# Altium PCB DM1092.PcbDoc (part 2 of 5) (continued)
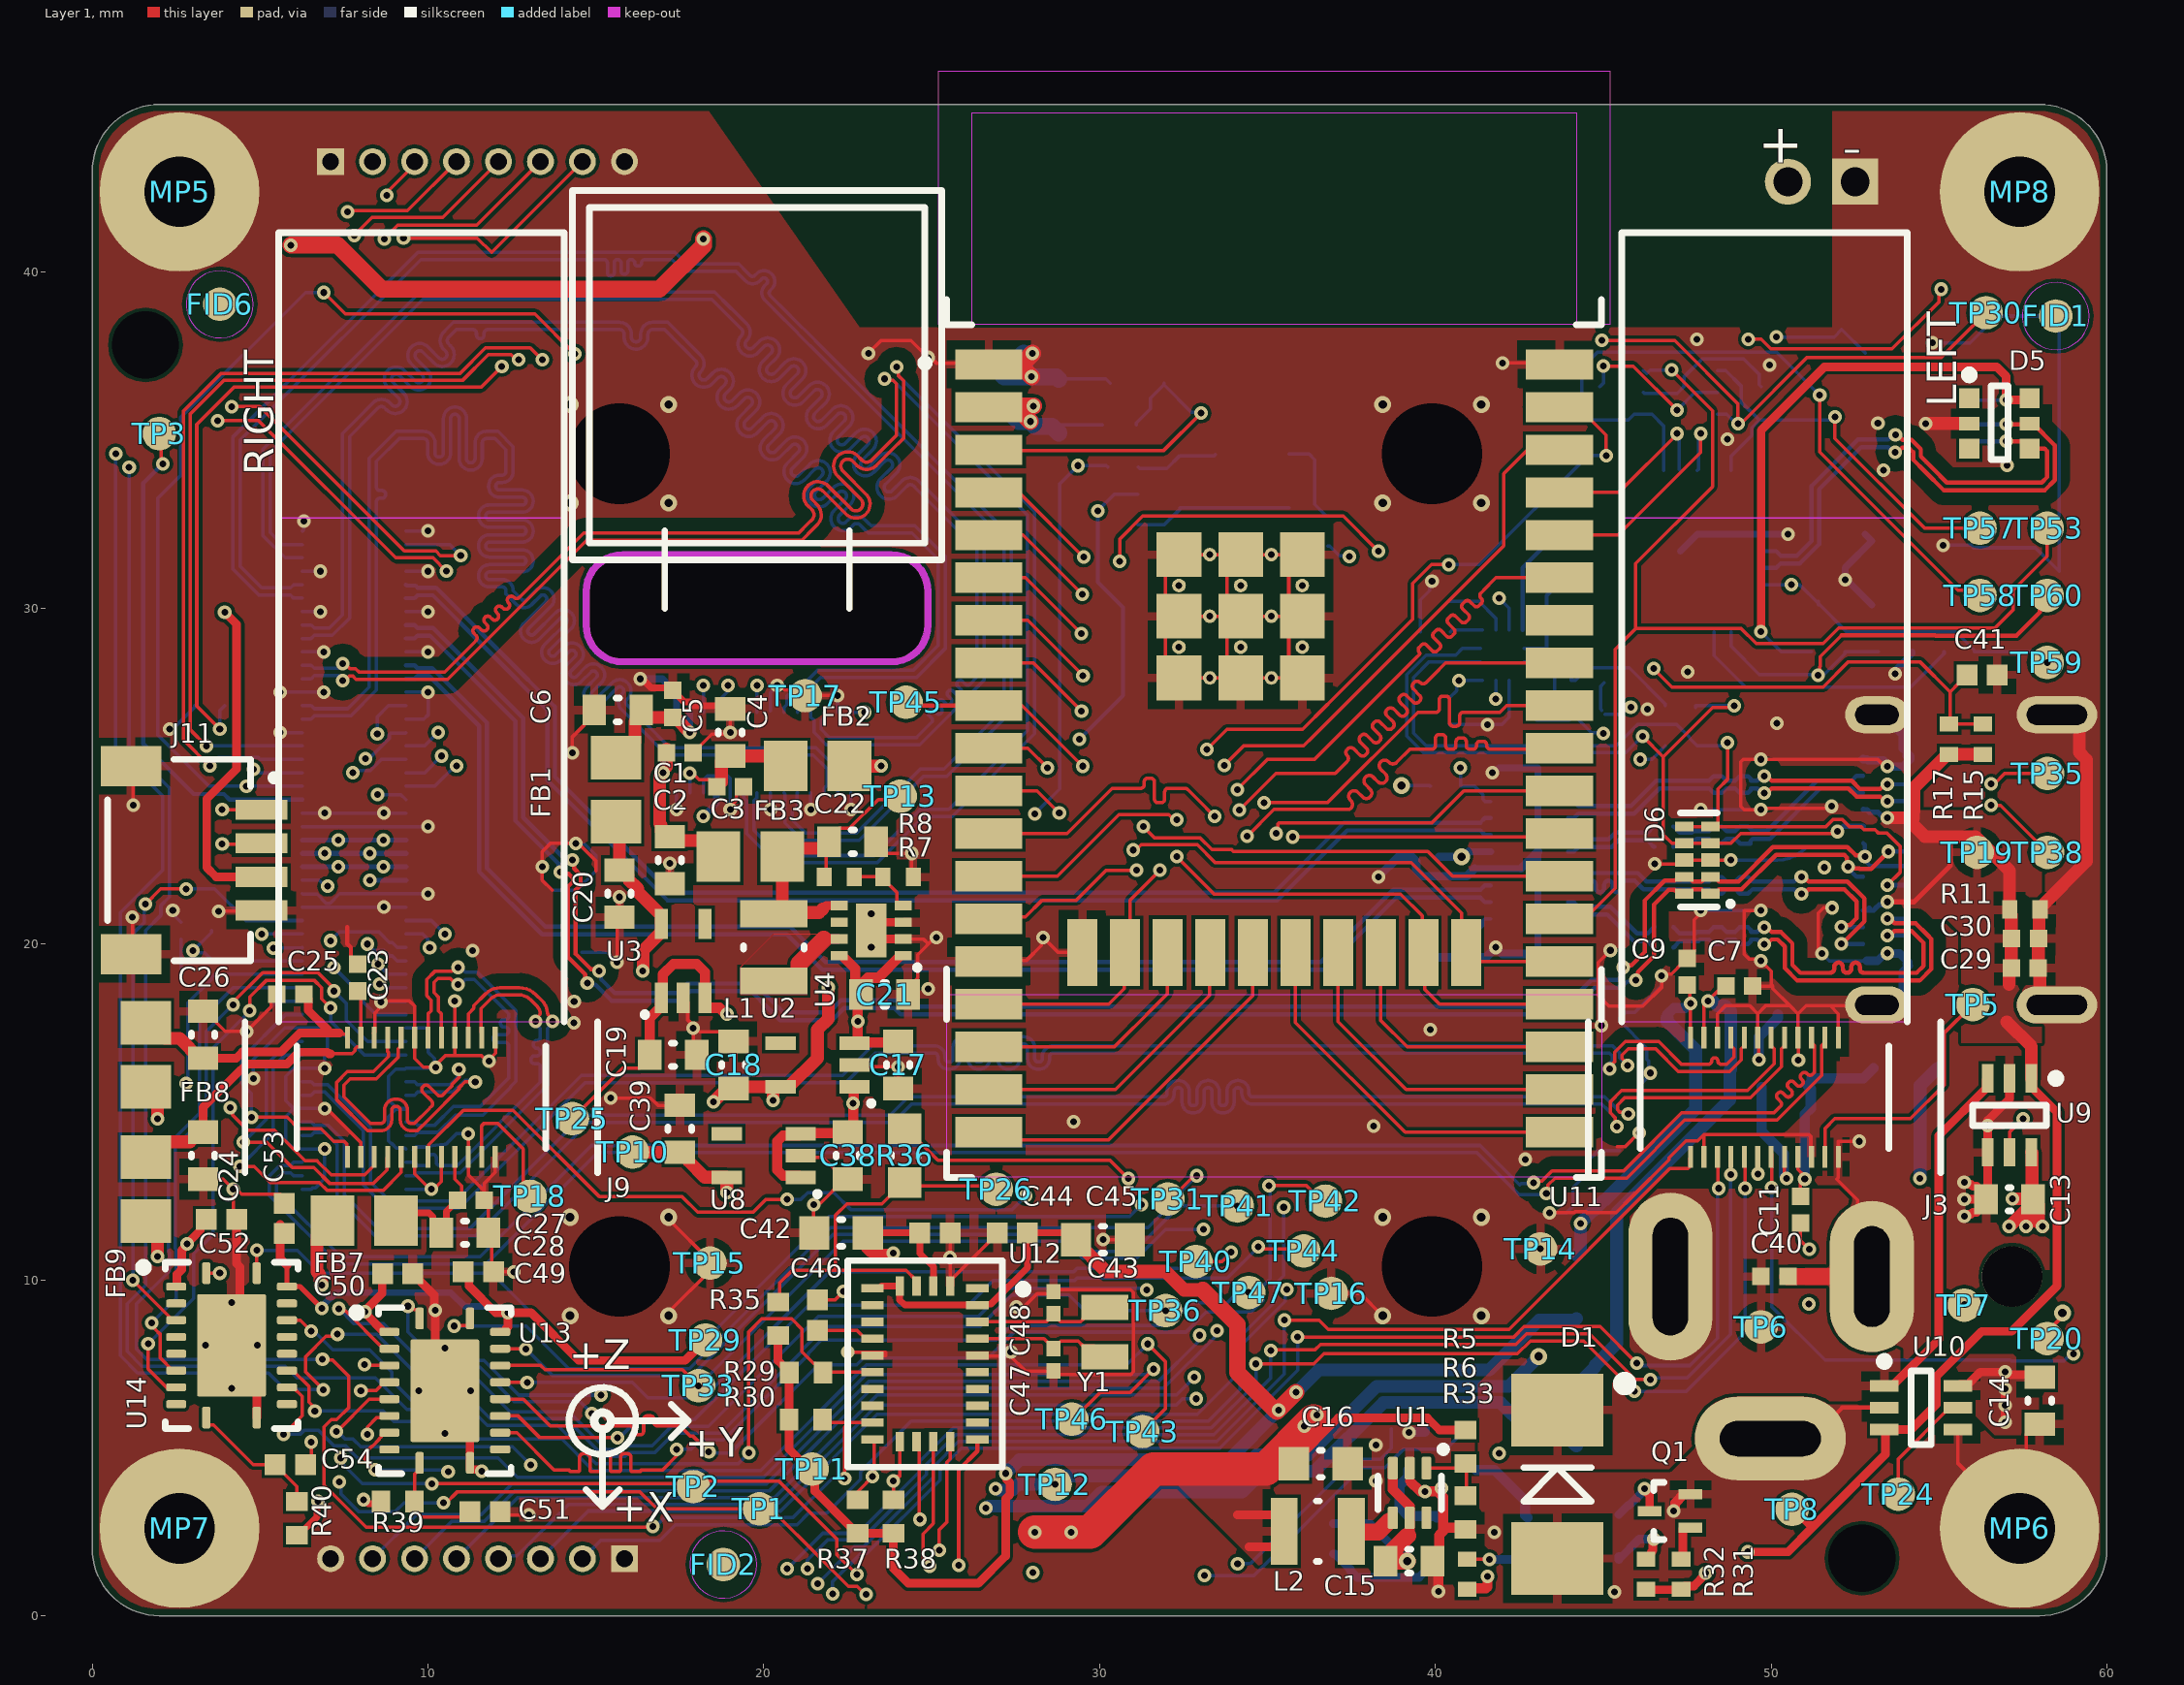
[diagram p0: Layer 1 view]
## Nets (pads, with @x,y where several pads share a name; then routed paths per layer and width w, separated by ;. In a path a pad name is that pad's centre, name@x,y a point inside that pad or via, vN(x,y) a via of type N, cw(c..) or ccw(c..) an arc to the next point about the centre after c; other vN are vias at no path point) (continued)
  Layer 6 w0.381: v1(27.202,4.238) 27.61,4.645 33.855,4.645 v1(35.331,6.121) 35.854,6.644 35.854,6.654 35.866,6.665 35.875,6.665 36.525,7.315 41.605,7.315 43.091,8.802 44.152,8.802 FB5.1@44.2,8.85
1V8_IMX378: C3.2 C4.2 FB2.2 J2.13 | length 4.4
  Layer 1 w0.102: v1(17.8,25.086) 17.882,25.086 18.075,24.894 18.392,24.894 C3.2@18.601,24.684
  Layer 1 w0.381: C3.2@18.601,24.684 18.741,24.824 18.741,25.441 18.9,25.6 20.35,25.6 FB2.2@20.65,25.3
  Layer 6 w0.102: J2.13@17.8,24.5 v1@17.8,24.986
1V8_L: C9.2 C10.2 FB5.2 J3.1 | length 11.2
  Layer 1 w0.102: C9.2@47.498,18.7 47.5,18.7 47.574,18.626 47.574,18.263 v1(47.6,18.238) J3.1@47.6,17.374
  Layer 6 w0.305: C10.2@46.9,17.8 46.9,17.9 47.098,18.098 47.433,18.098 47.573,18.238 v1(47.6,18.238)
  Layer 6 w0.381: FB5.2@44.2,10.75 44.323,10.873 v1(44.323,11.684) 44.992,12.353 45.019,12.353 47.751,15.086 47.751,16.849 46.9,17.7 C10.2@46.9,17.8
1V8_R: C25.2 C26.2 FB8.2 J9.1 | length 8.3
  Layer 1 w0.102: C26.2@3.3,16.6 C26.2@3.4,16.6 ; 7.366,17.348 7.402,17.312 J9.1@7.6,17.312
  Layer 1 w0.254: C26.2@3.4,16.6 4.291,16.6 4.475,16.784 5.62,16.784 6.19,17.354 6.962,17.354 ; C25.2@6.3,18.5 6.433,18.367 6.433,18.027 7.034,17.426 6.962,17.354 ; 7.36,17.354 6.962,17.354
  Layer 1 w0.381: FB8.2@1.6,17.65 1.7,17.65 2.16,17.191 2.609,17.191 3.2,16.6 C26.2@3.4,16.6
2V8: C20.2 FB1.1 FB4.1 FB7.1 TP12.1 U3.5 | length 89
  Layer 1 w0.102: 6.693,10.241 6.848,10.241
  Layer 1 w0.381: v1(6.832,9.843) 6.832,9.938 6.784,9.986 6.784,10.15 6.693,10.241 6.693,11.301 FB7.1@7.153,11.76 ; FB1.1@15.6,23.65 15.7,23.55 C20.2@15.7,22.2 15.8,22.2 15.96,22.041 15.96,21.941 16.25,21.65 16.25,21.539 16.93,20.859 16.94,20.859 16.95,20.85 U3.5@16.95,20.6 16.94,20.59 16.94,20.34 16.405,19.805 16.405,19.205 v1(16.4,19.2)
  Layer 3 w0.381: v1@6.845,9.952 6.392,10.406 6.392,20.09 6.908,20.606 10.108,20.606 10.296,20.794 11.109,20.794 11.806,20.096 15.698,20.096 16.395,19.399 16.395,19.205 v1(16.4,19.2) 16.4,17.839 18.445,15.794 18.704,15.794 20.995,13.503 22.728,13.503 25.003,11.228 25.003,6.371 25.806,5.568 25.806,5.537 26.709,4.635 26.709,3.981 26.899,3.791 v1(26.899,3.785) ; v3(43.078,7.722) 44.704,6.096 46.495,6.096 47.689,7.29 53.368,7.29 54.54,8.462 54.54,12.91 v1(54.433,13.017)
  Layer 6 w0.381: v1(26.899,3.785) 26.903,3.78 26.962,3.78 26.998,3.744 27.407,3.744 27.575,3.912 v1(28.677,3.912) 28.677,3.918 28.689,3.931 28.689,3.941 28.912,4.164 34.054,4.164 34.676,4.786 36.206,4.786 38.252,6.833 42.189,6.833 v3(43.078,7.722) ; v1(54.433,13.017) 54.433,15.783 FB4.1@54.95,16.3
2V8_IMX378: C5.2 C6.2 FB1.2 J2.11 J2.18 | length 7.5
  Layer 1 w0.381: FB1.2@15.6,25.55 15.7,25.55 16.159,26.01 16.159,26.63 16.399,26.87 C6.2@16.399,26.97 ; C6.2@16.4,26.9 16.55,26.75 17.29,26.75 17.359,26.681 17.42,26.681 v1(17.8,26.3)
  Layer 3 w0.203: v1(17.8,26.3) 18.268,25.832 18.268,24.945 18.2,24.877 v1(18.2,23.8)
  Layer 6 w0.203: v1@17.8,26.4 J2.18@17.8,26.9 ; v1(18.2,23.8) 18.592,24.192 18.592,24.492 J2.11@18.6,24.5
2V8_L: C11.2 C12.2 FB4.2 J3.16 | length 6.7
  Layer 1 w0.102: J3.16@50.8,13.762 50.8,13.285 50.978,13.107 v1@50.978,13.081 ; C11.2@50.876,12.49 50.876,12.876 v1(51,13) v1@50.897,13 ; v1@50.889,12.992 v1@50.978,13.081 ; v1@50.947,13.112 v1@50.978,13.081
  Layer 6 w0.305: v1(51,13) 51,14.932 51.181,15.113 51.181,15.686 C12.2@51.119,15.748 ; C12.2@51.083,15.784 51.2,15.9 51.2,16 52.75,16 FB4.2@53.05,16.3
2V8_R: C27.2 C28.2 FB7.2 J9.16 | length 4.6
  Layer 1 w0.102: J9.16@10.8,13.762 10.8,13 11,12.8 11,12.4 10.924,12.324 C27.2@10.855,12.255
  Layer 1 w0.2: FB7.2@9.053,11.76 9.292,12 10.033,12 10.15,11.883 10.15,11.655 C28.2@10.4,11.405 10.543,11.548 10.543,12.043 10.551,12.043 10.763,12.255 C27.2@10.855,12.255
3V3: C16.1 C35.2 C42.2 C44.2 C49.2 C53.2 C55.2 C56.2 J11.3 L2.2 R5.2 R13.2 R41.2 TP29.1 U5.6 U11.2 U12.3 U13.19 U14.19 | length 169.2
  Layer 1 w0.15: 5.8,10.428 U14.19@5.8,9.8 6.188,9.8 v1(6.838,9.15)
  Layer 1 w0.2: C42.2@22.835,11.135 C42.2@23.1,11.4 C44.2@24.65,11.4 24.65,10.79 25.05,10.39 U12.3@25.05,9.813
  Layer 1 w0.203: U11.2@26.3,35.99 U11.2@27.49,35.99
  Layer 1 w0.25: v1(3.945,29.88) 4.3,29.525 4.3,25.214 3.41,24.325 3.41,22.278 3.688,22 J11.3@5.037,22
  Layer 1 w0.254: C53.2@5.6,11.65 5.6,10.628 5.8,10.428 ; C49.2@11.05,10.3 11.22,10.13 11.22,9.82 12.016,9.024 v1(12.378,9.025) ; U13.19@12.15,8.45 12.316,8.45 12.323,8.457 12.323,8.543 12.378,8.599 v1(12.378,9.025) ; v1(12.378,9.025) v1(12.378,9.025) ; v1@12.38,9.025 13.063,9.025 14.489,7.599 17.653,7.599 TP29.1@18.264,8.21 TP29.1@18.407,8.353 ; C42.2@22.835,11.135 23.174,10.795 v1(23.851,10.795) ; 34.1,3 35.227,3 35.5,2.727 L2.2@35.5,2.515 35.5,2.323 35.227,2.05 34.45,2.05 ; C16.1@35.789,4.521 35.789,4.571 37.109,5.891 39.761,5.891 40.123,5.529 R5.2@40.894,5.529
  Layer 1 w0.508: v1(5.918,40.809) 7.303,40.809 8.617,39.495 16.893,39.495 18.201,40.804 v1(18.201,40.999) ; U11.2@27.49,35.99 27.521,36.021 v1(28.033,36.021) ; U11.2@27.686,35.814 v1(27.94,35.56)
  Layer 1 w1: v1(28.067,2.489) v1(29.159,2.489) 29.718,2.489 31.598,4.369 34.95,4.369 36.373,5.791
  Layer 3 w0.5: v1(12.378,9.025) 13.286,9.025 14.99,7.321 17.019,7.321 19.635,9.937 ; 36.652,20.9 39.08,20.9 v3(40.78,22.6) ; 36.652,24.646 36.724,24.718 v3(38.992,24.718)
  Layer 3 w0.508: v1(3.945,29.88) 4.714,30.649 4.714,39.604 v1(5.918,40.809) ; v1(18.201,40.999) 23.641,35.56 v1(27.94,35.56)
  Layer 3 w0.7: 19.635,9.937 20.492,10.795 v1(23.851,10.795) 23.851,5.045 26.407,2.489 v1(28.067,2.489) v1(29.159,2.489)
  Layer 3 w1: v1(27.94,35.56) 27.94,35.929 v1(28.033,36.021) 31.674,36.021 34.179,33.516 34.333,33.516 36.838,31.01 36.838,27.921 36.652,27.735 36.652,24.646 36.652,20.9 36.652,13.474 36.761,13.365 36.761,6.18 36.166,5.584 35.712,5.131
  Layer 6 w0.102: C56.2@28.849,35.464 R41.2@30.091,35.464 ; v3(38.992,24.718) 39.833,24.718 R13.2@39.85,24.7
  Layer 6 w0.2: v1(6.838,9.15) 6.838,9.204 7.255,9.621 10.676,9.621 11.091,9.205 11.835,9.205 11.976,9.064 12.339,9.064 v1(12.378,9.025) v1@12.322,9.025 ; 40.997,22.748 41.648,22.748 U5.6@41.65,22.75
  Layer 6 w0.254: C35.2@40.1,22.6 v3(40.78,22.6) 40.849,22.6 40.997,22.748
  Layer 6 w0.508: v1(28.033,36.021) 27.129,36.021 C55.2@27.1,36.05 27.59,35.56 v1(27.94,35.56) 28.083,35.417 28.587,35.417 C56.2@28.783,35.221
  other v1: 36.1,5.65 36.466,5.973
2485_PGOOD: J1.37 Q2.1 TP1.1 | length 64.9
  Layer 1 w0.102: v1(10.458,3.358) 10.541,3.358 10.865,3.683 16.317,3.683 16.817,3.183 TP1.1@19.871,3.183 ; TP1.1@19.871,3 20.4,3 21.546,1.854 22.524,0.876 22.784,0.876 23.027,0.633 v1(23.044,0.633)
  Layer 3 w0.102: v1(4.8,25.2) 4.286,25.2 3.209,24.123 3.209,20.21 5.154,18.265 5.154,12.088 3.446,10.38 3.446,9.728 3.796,9.378 3.796,9.178 4.504,8.47 4.504,6.706 5.141,6.068 5.141,5.173 6.327,3.987 v1(7.361,3.987) ; v1(23.044,0.633) 23.1,0.689 32.541,0.689 v1@33.096,1.245
  Layer 6 w0.102: v1(4.8,25.2) 4.876,25.2 4.976,25.1 J1.37@6.26,25.1 ; v1(7.361,3.987) 7.402,3.946 7.402,3.632 7.93,3.103 9.026,3.103 9.281,3.358 v1(10.458,3.358) ; v1@33.096,1.245 33.145,1.195 34.596,1.195 37.812,4.411 38.498,4.411 39.04,4.953 40.302,4.953 40.707,5.358 Q2.1@40.707,5.563
  other v1: 33.122,1.194
2485_WAKEUP: J1.41 TP3.1 | length 14.9
  Layer 1 w0.102: TP3.1@2,35.2 2.05,35.15 2.05,34.35 v1(2.1,34.3)
  Layer 6 w0.127: v1(2.1,34.3) 1.524,33.724 1.524,25.966 3.021,24.468 3.922,24.468 4.09,24.3 J1.41@6.26,24.3
BNO08x_BOOTN_1V8_1: R35.1 R36.1 TP26.1 U12.4 | length 11.7
  Layer 1 w0.102: R35.1@20.422,9.339 20.472,9.39 20.472,9.906 20.853,10.286 22.133,10.286 ; U12.4@24.55,9.813 24.55,9.975 24.238,10.287 22.133,10.287 22.133,11.923 22.479,12.268 23.518,12.268 24.15,12.9 R36.1@24.2,12.9 24.307,12.793 26.55,12.793 26.572,12.816 26.554,12.816 TP26.1@26.532,12.793
BNO08x_INT_1V8: J1.69 R30.1 U12.14 | length 44.2
  Layer 1 w0.102: v1(6.859,7.633) 6.871,7.622 7.147,7.622 7.646,7.123 7.646,6.205 7.282,5.841 7.122,5.841 6.902,5.621 6.902,3.894 8.157,2.639 16.678,2.639 v1(16.702,2.664) ; R30.1@21.75,5.842 21.842,5.75 22.54,5.75 ; v1(22.405,4.08) 22.405,5.615 22.54,5.75 ; U12.14@23.237,5.75 22.54,5.75
  Layer 6 w0.102: J1.69@6.26,18.7 4.198,18.7 3.193,17.695 3.193,14.964 2.27,14.042 2.27,10.848 2.298,10.82 2.298,10.26 1.311,9.272 1.311,7.949 1.627,7.633 v1(6.859,7.633) ; v1(16.702,2.664) 16.784,2.664 17.037,2.917 20.867,2.917 22.03,4.08 v1(22.405,4.08)
BNO08x_RSTn_1V8: J1.6 R29.1 U12.11 | length 69.7
  Layer 1 w0.102: v1(3.729,35.583) 4.955,35.583 9.038,31.5 10.15,31.5 v1(10.546,31.104) ; v1(19.554,4.847) 19.554,8.454 19.939,8.839 20.828,8.839 21.135,8.532 21.135,7.863 21.486,7.513 21.536,7.513 21.76,7.289 R29.1@21.76,7.239 21.771,7.25 U12.11@23.237,7.25
  Layer 3 w0.102: v1(1.1,34.2) 1.544,33.756 2.247,33.756 3.718,35.228 3.718,35.572 v1(3.729,35.583)
  Layer 6 w0.102: v1(1.1,34.2) 1.1,25.85 2.302,24.649 2.302,21.402 2.046,21.147 2.046,20.86 1.59,20.405 1.59,9.837 1.04,9.287 1.04,7.873 1.481,7.432 5.752,7.432 6.098,7.085 8.434,7.085 9.375,6.145 11.294,6.145 11.771,5.667 13.865,5.667 15.002,4.53 19.238,4.53 v1(19.554,4.847) ; J1.6@9.34,31.5 10.15,31.5 v1(10.546,31.104)
CAM_A_CLK_OUT: J1.28 J2.30 | length 18.1
  Layer 3 w0.102: v1(8.491,26.262) 8.532,26.221 8.532,25.668 9.308,24.892 11.049,24.892 12.857,26.7 22.788,26.7 22.988,26.9 v1(23,26.9)
  Layer 6 w0.102: v1(8.491,26.262) 8.491,26.763 8.828,27.1 J1.28@9.34,27.1 ; J2.30@22.6,26.9 v1(23,26.9)
CAM_A_PWDN_N: J1.34 J2.23 R1.1 | length 44.2
  Layer 1 w0.102: v1(3.8,26.4) 3.114,27.086 3.114,35.472 4.222,36.579 11.579,36.579 v1(12.2,37.2)
  Layer 3 w0.102: v1(12.2,37.2) 12.2,36.5 9.753,34.053 9.753,32.553 9.646,32.447 9.646,26.954 v1(10.3,26.3) 12.05,26.3 12.658,26.909 19.009,26.909 v1(19.8,27.7)
  Layer 6 w0.102: v1(3.8,26.4) 3.8,26.95 R1.1@3.95,27.1 ; J1.34@9.34,25.9 9.9,25.9 v1(10.3,26.3) ; J2.23@19.8,26.9 v1(19.8,27.7)
CAM_B_CLK_OUT: J1.73 J3.24 J9.24 | length 76.5
  Layer 1 w0.102: v1(4.74,14.844) 5.806,14.844 6.147,14.503 6.817,14.503 7.196,14.125 7.501,14.125 7.576,14.05 7.576,13.772 J9.24@7.6,13.748 ; v1(35.5,8.8) 36.542,8.8 36.815,8.526 42.195,8.526 46.981,13.313 47.527,13.313 47.576,13.362 J3.24@47.576,13.616
  Layer 3 w0.102: v1(4.74,14.844) 4.658,14.844 4.587,14.773 3.55,14.773 2.829,15.494 2.653,15.494 2.59,15.557 1.631,15.557 0.637,14.563 0.637,6.976 6.828,0.785 20.97,0.785 21.135,0.95 v1(21.6,0.95)
  Layer 6 w0.102: v1(4.74,14.844) 4.74,15.559 4.446,15.853 4.446,16.588 5.758,17.9 J1.73@6.26,17.9 ; v1(21.6,0.95) 22.702,2.052 22.972,2.052 25.044,4.124 25.044,4.43 25.802,5.188 33.491,5.188 35.5,7.197 v1(35.5,8.8)
CAM_B_D_PWM: J1.65 J9.22 R9.1 | length 14.9
  Layer 1 w0.102: v1(4.113,15.127) v1@4.127,15.127 ; v1@4.12,15.12 4.171,15.069 4.171,14.913 4.63,14.454 5.434,14.454 6.342,13.546 6.704,13.546 6.704,13.536 7.116,13.125 8.112,13.125 8.4,13.413 J9.22@8.4,13.663
  Layer 3 w0.102: v1(3,19.8) 3.84,18.96 3.84,18.048 4.113,17.775 v1(4.113,15.127)
  Layer 6 w0.102: R9.1@3.55,20.4 3.55,20.35 v1(3,19.8) 3.055,19.745 3.346,19.745 3.591,19.5 J1.65@6.26,19.5
CAM_B_PWDN_N: J1.67 J3.22 R2.1 | length 78.3
  Layer 1 w0.102: v1(35.9,8.3) 42.336,8.3 42.642,8.606 44.911,8.606 v1(45.999,7.518) ; v1@48.412,12.751 48.419,12.757 J3.22@48.419,13.743
  Layer 3 w0.102: v1(2.8,15.848) 1.327,15.848 0.432,14.953 0.432,6.768 6.654,0.546 21.946,0.546 v1(22.05,0.65)
  Layer 6 w0.102: v1(2.8,15.848) 2.85,15.898 2.85,18.25 3.55,18.95 R2.1@3.55,19 3.65,19.1 J1.67@6.26,19.1 ; v1(22.05,0.65) 22.05,1.012 22.888,1.85 23.056,1.85 25.246,4.04 25.246,4.347 25.886,4.986 33.574,4.986 35.9,7.312 v1(35.9,8.3) ; v1(45.999,7.518) 46.069,7.449 47.58,7.449 48.401,8.27 48.401,12.688 v1(48.438,12.725)
CAP: C46.1 U12.9 | length 1.7
  Layer 1 w0.102: C46.1@21.6,8.5 22.775,8.5 23.025,8.25 U12.9@23.237,8.25
CC1: D6.4 D6.7 J10.A5 R18.2 U6.2 | length 25.2
  Layer 1 w0.102: v1(46.17,26.189) 46.787,25.572 46.787,23.254 47.041,23 D6.4@48.19,23 48.801,23 49.096,23.295 51.927,23.295 v1(51.981,23.349) ; 46.788,25.572 48.261,27.046 48.846,27.046 v1(48.9,27.1)
  Layer 6 w0.102: U6.2@41.35,28.8 40.804,28.8 40.605,28.602 39.723,28.602 39.149,28.027 39.149,26.196 39.641,25.703 45.679,25.703 46.165,26.189 v1(46.17,26.189) ; R18.2@47.75,27.05 R18.2@47.75,27.1 v1(48.9,27.1)
  Layer 6 w0.158: v1(51.981,23.349) 51.993,23.349 52.149,23.505 52.251,23.505 52.254,23.502 52.741,23.502 J10.A5@52.741,23.506
CC2: D6.5 D6.6 J10.B5 R19.2 U6.1 | length 25.4
  Layer 1 w0.102: D6.6@47.41,23.5 D6.5@48.19,23.5 D6.5@48.315,23.5 ; v1(48.7,26) 48.7,24.901 48.414,24.615 48.414,23.599 D6.5@48.315,23.5 ; v1(53.463,21.758) 53.85,22.145 53.85,22.903 53.454,23.299 53.2,23.299 53.097,23.402 52.765,23.402 52.667,23.5 52.331,23.5 52.127,23.703 51.834,23.703 51.631,23.5 D6.5@48.315,23.5
  Layer 6 w0.102: U6.1@41.35,28.4 39.807,28.4 39.35,27.944 39.35,26.279 39.725,25.905 45.38,25.905 46.018,26.543 47.183,26.543 47.576,26.151 47.576,26.124 47.8,25.9 48.518,25.9 48.618,26 v1(48.7,26)
  Layer 6 w0.152: v1(53.463,21.758) 53.469,21.752 53.572,21.752 53.573,21.751 54.041,21.751 J10.B5@54.041,21.756
COM_AUX_IO2: J1.42 R4.1 TP4.1 | length 32.5
  Layer 3 w0.102: v1(8.503,24.452) 8.505,24.454 16.246,24.454 17.267,23.433 21.334,23.433 23.146,25.245 23.146,25.447 23.353,25.654 23.555,25.654 24.001,26.1 v1(29.4,26.1)
  Layer 6 w0.102: v1(8.503,24.452) 9.188,24.452 J1.42@9.34,24.3 ; v1(29.4,26.1) 30.698,27.398 TP4.1@30.698,30.026 29.948,30.777 v1(29.948,32.9) ; v1(29.948,32.9) 30.439,33.392 R4.1@31.138,33.392
DTR: Q4.1 R43.1 TP57.1 U15.28 | length 12.4
  Layer 1 w0.102: v1(51.9,35.7) 51.9,35.054 54.572,32.383 TP57.1@56.219,32.383
  Layer 6 w0.102: Q4.1@48.4,37.075 48.65,37.075 49.104,36.621 49.104,36.146 R43.1@49.65,35.6 ; U15.28@48.8,34.1 48.8,34.525 49.426,35.151 49.426,35.376 R43.1@49.65,35.6 ; R43.1@49.7,35.6 R43.1@49.65,35.6 ; v1(51.9,35.7) 51.818,35.7 51.718,35.6 R43.1@49.65,35.6
EN: C57.2 Q4.3 R41.1 TP30.1 U11.3 | length 37.9
  Layer 1 w0.102: U11.3@26.364,34.7 31.911,34.7 v1(33.021,35.81) ; v1(44.958,37.973) 47.127,37.973 49.015,36.085 v1(49.015,35.491) 49.091,35.491 51.065,37.465 55.065,37.465 TP30.1@56.4,38.8
  Layer 3 w0.102: v1(33.021,35.81) 35.505,35.81 37.668,37.973 v1(44.958,37.973)
  Layer 6 w0.102: R41.1@31.091,35.464 31.091,35.514 31.516,35.939 31.516,36.254 C57.2@31.915,36.653 ; C57.2@31.915,36.703 C57.2@31.915,36.653 ; v1(33.021,35.81) 33.003,35.828 32.74,35.828 C57.2@31.915,36.653 ; Q4.3@48.4,35.775 48.677,35.775 48.961,35.491 v1(49.015,35.491)
ENV_SCL: R37.2 U12.15 | length 2
  Layer 1 w0.102: R37.2@22.793,3.457 22.793,3.693 23.287,4.187 23.287,5.176 U12.15@23.212,5.25
  Layer 6 w0.102: v1@23.24,4.129 v1(23.24,4.14)
ENV_SDA: R38.2 U12.16 | length 2
  Layer 1 w0.102: R38.2@23.859,3.457 23.862,3.46 v1(23.862,4.012) 23.912,4.012 24.05,4.15 ; v1@23.909,4.156 24.044,4.156 24.05,4.15 ; U12.16@24.05,5.187 24.05,4.15
  Layer 6 w0.102: v1@23.848,4.012 v1(23.862,4.012)
ESP_GPI34: J5.4 U11.6 | length 51.1
  Layer 1 w0.102: U11.6@26.3,30.91 27.79,30.91 v1(29.46,29.24)
  Layer 3 w0.102: v1(29.46,29.24) 30.253,28.447 30.253,24.535 30.243,24.525 30.243,21.04 32.139,19.144 32.139,10.873 32.63,10.382 32.63,8.205 33.18,7.655 33.18,6.756 v1(32.884,6.46)
  Layer 6 w0.102: J5.4@12.1,1.7 12.181,1.781 12.652,1.781 14.192,3.321 20.415,3.321 23.371,6.277 32.286,6.277 32.47,6.46 v1(32.884,6.46)
ESP_GPI35: J5.5 U11.7 | length 50.4
  Layer 1 w0.102: U11.7@26.3,29.64 27.86,29.64 v1(29.507,27.993)
  Layer 3 w0.102: v1(29.507,27.993) 30.051,27.449 30.051,24.618 30.041,24.608 30.041,20.53 31.937,18.634 31.937,10.79 32.323,10.404 32.323,7.604 v1(32.826,7.101)
  Layer 6 w0.102: J5.5@10.85,1.7 12.672,3.522 20.331,3.522 23.38,6.572 32.296,6.572 v1(32.826,7.101)
ESP_GPI36: J5.6 U11.4 | length 55.5
  Layer 1 w0.102: U11.4@26.3,33.45 27.595,33.45 v1(29.523,31.522)
  Layer 3 w0.102: v1(29.523,31.522) 30.656,30.389 30.656,24.368 30.646,24.358 30.646,21.957 32.542,20.061 32.542,11.369 33.497,10.414 v1(33.497,8.489)
  Layer 6 w0.102: J5.6@9.6,1.7 10.703,2.803 11.668,2.803 12.589,3.724 20.176,3.724 23.225,6.773 31.906,6.773 33.446,8.313 33.446,8.425 33.497,8.476 v1(33.497,8.489)
ESP_GPI39: J5.7 U11.5 | length 54.9
  Layer 1 w0.102: U11.5@26.3,32.18 27.72,32.18 v1(29.482,30.418)
  Layer 3 w0.102: v1(29.482,30.418) 30.454,29.446 30.454,24.451 30.444,24.441 30.444,21.524 32.341,19.628 32.341,11.285 32.984,10.642 v1(32.984,8.352)
  Layer 6 w0.102: J5.7@8.35,1.7 9.654,3.004 11.584,3.004 12.505,3.926 20.08,3.926 23.129,6.975 31.754,6.975 32.93,8.151 32.93,8.298 v1(32.984,8.352)
ESP_GPIO0: Q4.6 TP53.1 U11.25 | length 34.7
  Layer 1 w0.102: U11.25@43.3,20.75 44.452,20.75 45.357,21.655 45.357,28.781 45.967,29.391 ; v1(47.04,37.095) 48.254,35.881 48.254,33.621 45.967,31.333 45.967,29.391 ; TP53.1@58.219,31.9 58.219,31.551 57.203,30.535 57.203,29.953 56.664,29.414 52.011,29.414 51.544,28.946 49.553,28.946 49.109,29.391 45.967,29.391
  Layer 6 w0.102: Q4.6@46.2,37.075 46.29,36.985 46.399,37.095 v1(47.04,37.095)
ESP_GPIO2: J1.40 J6.2 U11.24 | length 73.2
  Layer 1 w0.102: v1(31,22.8) 31.082,22.8 31.236,22.954 32.915,22.954 33.44,22.428 39.284,22.428 40.785,20.928 40.785,19.48 U11.24@43.3,19.48
  Layer 3 w0.102: v1(10.848,25.3) 10.794,25.246 10.253,25.246 8.884,26.615 8.884,37.66 9.625,38.401 9.625,41.168 9.264,41.529 9.03,41.529 8.35,42.209 J6.2@8.35,43.3 13.722,37.928 17.94,37.928 23.523,32.344 30.156,32.344 31.32,31.18 31.32,27.359 30.972,27.01 30.972,24.326 30.946,24.301 30.946,22.854 v1(31,22.8)
  Layer 6 w0.102: J1.40@9.34,24.7 10.197,24.7 10.797,25.3 v1(10.848,25.3)
ESP_GPIO4: J1.38 J6.3 U11.26 | length 68.3
  Layer 1 w0.102: v1(8.768,42.292) 8.768,42.375 9.6,43.207 J6.3@9.6,43.3 ; v1(31.3,23.5) 31.644,23.156 32.998,23.156 33.343,22.811 33.933,22.811 33.985,22.758 39.776,22.758 40.515,22.02 U11.26@43.3,22.02
  Layer 3 w0.102: v1(8.768,42.292) 8.786,42.292 9.827,41.251 9.827,38.317 9.086,37.576 9.086,26.811 9.486,26.411 10.297,25.6 v1(10.4,25.6) ; J6.3@9.6,43.3 14.771,38.129 18.63,38.129 24.214,32.546 30.597,32.546 31.62,31.523 31.62,27.014 31.3,26.694 v1(31.3,23.5)
  Layer 6 w0.102: J1.38@9.34,25.1 9.9,25.1 v1(10.4,25.6)
ESP_GPIO12: J1.63 J6.4 U11.14 | length 69.2
  Layer 1 w0.102: v1(7.6,41.8) 7.637,41.837 9.387,41.837 J6.4@10.85,43.3 ; U11.14@26.3,20.75 26.358,20.808 27.793,20.808 28.29,21.305 29.306,21.305 30.201,22.2 v1(31.1,22.2)
  Layer 3 w0.102: v1(5.4,19.881) 5.4,19.901 6.062,20.563 6.062,25.923 6.096,25.956 6.096,31.877 7.517,33.298 7.517,39.523 8.217,40.224 8.217,41.273 7.69,41.8 v1(7.6,41.8) ; J6.4@10.85,43.3 15.819,38.331 18.714,38.331 23.555,33.49 29.938,33.49 31.965,31.463 31.965,25.921 31.692,25.648 31.692,22.792 v1(31.1,22.2)
  Layer 6 w0.102: v1(5.4,19.881) 5.409,19.891 6.251,19.891 J1.63@6.26,19.9
ESP_GPIO13: J1.61 J6.5 U11.16 | length 72.6
  Layer 1 w0.102: v1(7.8,41.1) 8.335,41.635 10.435,41.635 J6.5@12.1,43.3 ; U11.16@26.3,18.21 30.275,18.21 30.734,18.669 30.734,19.729 U11.16@30.755,19.75 30.905,19.9 30.905,21.305 v1(31.8,22.2)
  Layer 3 w0.102: v1(5.05,20.3) 5.05,24.931 5.246,25.127 5.246,27.647 5.385,27.786 5.385,38.685 v1(7.8,41.1) ; J6.5@12.1,43.3 16.867,38.533 18.797,38.533 23.638,33.692 31.286,33.692 32.766,32.212 32.766,26.437 31.894,25.564 31.894,22.709 31.8,22.615 v1(31.8,22.2)
  Layer 6 w0.102: v1(5.05,20.3) J1.61@6.26,20.3
ESP_GPIO14: J1.36 J6.6 U11.13 | length 67.5
  Layer 1 w0.102: v1(8.7,41) 9.102,41.402 11.452,41.402 J6.6@13.35,43.3 ; U11.13@26.3,22.02 28.739,22.02 30.573,23.854 32.063,23.854 32.217,23.7 v1(32.3,23.7)
  Layer 3 w0.102: v1(7.764,25.107) 7.782,25.125 7.782,25.671 7.925,25.814 7.925,39.61 8.7,40.385 v1(8.7,41) ; J6.6@13.35,43.3 14.606,42.044 ccw(c14.682,42.119) 14.757,42.044 14.858,42.144 cw(c14.933,42.069) 15.009,42.144 15.073,42.08 cw(c14.998,42.004) 15.073,41.929 14.721,41.577 14.69,41.545 14.69,41.501 14.766,41.426 15.002,41.426 15.289,41.713 cw(c15.364,41.638) 15.44,41.713 15.504,41.648 cw(c15.429,41.573) 15.504,41.498 15.152,41.146 15.121,41.114 15.121,41.07 15.197,40.995 15.433,40.995 15.72,41.282 cw(c15.795,41.207) 15.871,41.282 15.935,41.217 cw(c15.86,41.142) 15.935,41.067 15.583,40.715 15.552,40.683 15.552,40.639 15.628,40.564 15.864,40.564 15.9,40.6 cw(c15.975,40.524) 16.05,40.6 17.015,40.6 23.722,33.893 31.485,33.893 33.429,31.949 33.637,31.742 33.637,27.778 33.631,27.773 33.631,27.016 32.3,25.686 v1(32.3,23.7)
  Layer 6 w0.102: v1(7.764,25.107) 7.827,25.17 8.283,25.17 8.612,25.5 J1.36@9.34,25.5
ESP_GPIO15: J1.32 J6.7 U11.23 | length 72.1
  Layer 1 w0.102: v1(9.271,41.021) 11.468,41.021 11.895,40.595 J6.7@14.6,43.3 ; v1(32.3,22.6) 33.412,21.488 38.964,21.488 39.609,20.843 39.609,19.786 39.678,19.717 39.678,18.657 40.125,18.21 U11.23@43.3,18.21
  Layer 3 w0.102: v1(8.136,25.524) 8.126,25.534 8.126,39.526 9.271,40.671 v1(9.271,41.021) ; J6.7@14.6,43.3 23.299,34.601 31.062,34.601 33.838,31.825 33.838,27.695 33.832,27.689 33.832,26.933 32.654,25.755 32.654,22.954 v1(32.3,22.6)
  Layer 6 w0.102: v1(8.136,25.524) 8.254,25.524 8.845,26.115 8.845,26.233 8.885,26.274 9.313,26.274 J1.32@9.34,26.3
ESP_GPIO16: J5.2 U11.27 | length 46.6
  Layer 1 w0.102: v1(35.75,23.19) 43.2,23.19 U11.27@43.3,23.29
  Layer 3 w0.102: v1(35.58,9.72) 35.58,9.802 35.885,10.107 35.885,22.988 35.75,23.123 v1(35.75,23.19)
  Layer 6 w0.102: J5.2@14.6,1.7 15.151,2.251 16.905,2.251 17.365,2.71 20.987,2.71 21.336,3.06 21.885,3.06 22.886,4.061 22.886,4.286 24.392,5.793 33.24,5.793 34.187,6.74 34.187,8.02 35.532,9.364 35.532,9.672 v1(35.58,9.72)
ESP_GPIO17: J5.3 U11.28 | length 48.5
  Layer 1 w0.102: v1(35.254,23.292) 35.312,23.35 35.312,23.578 35.349,23.614 39.902,23.614 40.847,24.56 U11.28@43.3,24.56
  Layer 3 w0.102: v1(35.254,23.292) 35.254,23.209 35.425,23.038 35.425,12.221 v1(35.484,12.163)
  Layer 6 w0.102: J5.3@13.35,1.7 14.769,3.119 20.498,3.119 23.374,5.994 32.918,5.994 33.986,7.062 33.986,8.103 35.226,9.343 35.226,9.866 35.484,10.124 v1(35.484,12.163)
ESP_GPIO27: TP47.1 U11.12 U13.13 | length 51.8
  Layer 1 w0.102: U13.13@12.15,5.45 12.647,5.45 13.754,4.343 13.907,4.343 14.211,4.343 ccw(c14.266,4.343) 14.266,4.289 14.462,4.289 ccw(c14.462,4.343) 14.516,4.343 14.516,4.719 cw(c14.623,4.719) 14.623,4.826 14.714,4.826 cw(c14.714,4.719) 14.821,4.719 14.821,4.343 ccw(c14.875,4.343) 14.875,4.289 15.071,4.289 ccw(c15.071,4.343) 15.126,4.343 15.126,4.719 cw(c15.232,4.719) 15.232,4.826 15.324,4.826 cw(c15.324,4.719) 15.431,4.719 15.431,4.343 ccw(c15.485,4.343) 15.485,4.289 15.681,4.289 ccw(c15.681,4.343) 15.735,4.343 15.735,4.719 cw(c15.842,4.719) 15.842,4.826 15.933,4.826 cw(c15.933,4.719) 16.04,4.719 16.04,4.343 ccw(c16.095,4.343) 16.095,4.289 16.29,4.289 ccw(c16.29,4.343) 16.345,4.343 16.65,4.343 16.955,4.343 16.987,4.343 17.399,4.756 v1(17.399,4.953) ; U11.12@26.3,23.29 29.03,23.29 30.378,24.638 30.567,24.638 30.72,24.638 31.024,24.638 31.223,24.638 ccw(c31.223,24.745) 31.329,24.745 31.329,24.83 cw(c31.436,24.83) 31.436,24.937 31.527,24.937 cw(c31.527,24.83) 31.634,24.83 31.634,24.638 31.634,24.316 ccw(c31.741,24.316) 31.741,24.21 31.832,24.21 ccw(c31.832,24.316) 31.939,24.316 31.939,24.531 cw(c32.045,24.531) 32.045,24.638 32.244,24.638 32.548,24.638 32.588,24.638 32.696,24.53 32.911,24.315 v1(33.426,23.8)
  Layer 3 w0.102: v1(33.426,23.8) 33.452,23.774 33.452,10.744 34.442,9.754 v1(34.442,9.627)
  Layer 6 w0.102: v1(17.399,4.953) 17.825,4.953 18.101,5.229 18.207,5.229 18.216,5.238 18.793,5.238 21.316,7.762 21.316,7.804 21.715,8.203 26.924,8.203 27.368,8.647 32.03,8.647 32.698,9.315 33.8,9.315 34.087,9.601 34.417,9.601 v1(34.442,9.627)
ESP_RXD0: TP38.1 U11.34 U15.26 | length 26.9
  Layer 1 w0.102: U11.34@43.3,32.18 45.439,32.18 47.9,34.641 v1(47.9,35.2) ; v1(56.556,24.13) 56.832,24.13 TP38.1@58.229,22.733
  Layer 4 w0.102: v1(47.9,35.2) 47.9,35.835 48.115,36.05 49.702,36.05 55.728,30.024 55.728,24.917 56.515,24.13 v1(56.556,24.13)
  Layer 6 w0.102: U15.26@47.8,34.1 47.833,34.133 47.833,35.133 v1(47.9,35.2)
ESP_TXD0: TP35.1 U11.35 U15.25 | length 25.3
  Layer 1 w0.102: U11.35@43.3,33.45 45.464,33.45 47.2,35.186 v1(47.2,35.2) ; v1(56.556,24.765) 56.642,24.765 56.955,25.078 TP35.1@58.229,25.078
  Layer 4 w0.102: v1(47.2,35.2) 47.2,35.399 47.554,35.753 47.554,35.843 48.011,36.3 49.806,36.3 55.93,30.176 55.93,25.069 56.2,24.798 56.523,24.798 v1(56.556,24.765)
  Layer 6 w0.102: v1(47.2,35.2) 47.267,35.133 47.267,34.133 U15.25@47.3,34.1
FB_3.3VIN: R5.1 R6.2 U1.1 | length 1.8
  Layer 1 w0.102: U1.1@39.735,4.394 R5.1@40.615,4.394 ; R5.1@40.894,4.529 40.919,4.504 R6.2@40.919,3.632
FSIN1: R3.2 R24.2 | length 2.7
  Layer 6 w0.102: R24.2@35.638,34.592 36.24,34.592 36.408,34.424 36.408,33.092 36.75,32.75 R3.2@36.8,32.75
FSIN1_IN: J3.18 R3.1 | length 70.5
  Layer 1 w0.102: v1(49.314,38.009) 49.341,38.036 49.368,38.009 49.703,38.009 49.991,37.722 53.602,37.722 55.004,39.124 55.004,39.447 v1(55.058,39.5) ; J3.18@50,13.762 50.013,13.749 v1(50.013,12.751)
  Layer 3 w0.102: v1(37.441,31.541) 37.954,32.054 38.561,32.054 38.636,31.978 43.248,31.978 46.052,34.782 46.052,35.546 47.191,36.686 47.99,36.686 v1(49.314,38.009) ; v1(55.058,39.5) 56.261,38.297 56.261,34.29 56.961,33.59 56.961,17.51 59.205,15.266 59.205,8.087 59,7.882 v1(59,7.8)
  Layer 6 w0.102: R3.1@36.8,31.85 36.85,31.85 37.142,31.558 37.424,31.558 v1(37.441,31.541) ; v1(50.013,12.751) 50.013,9.204 51.607,7.61 57.118,7.61 57.147,7.581 58.716,7.581 58.935,7.8 v1(59,7.8)
FSIN2: R10.2 R26.2 | length 2.5
  Layer 6 w0.102: R10.2@31.15,34.2 31.195,34.155 32.001,34.155 32.388,34.542 33.412,34.542 R26.2@33.452,34.582
FSIN2_IN: J9.18 R10.1 | length 44.2
  Layer 1 w0.102: J9.18@10,13.663 10.024,13.687 10.024,14.024 11.054,15.054 11.347,15.054 ; 11.347,15.054 12.53,15.054 15.111,12.474 17.575,12.474 18.034,12.014 19.685,12.014 20.071,12.4 v1(20.7,12.4)
  Layer 3 w0.102: v1(27.8,12.5) 27.8,19.316 27.3,19.816 27.3,23.2 27.609,23.509 27.7,23.509 v1(28.067,23.876)
  Layer 6 w0.102: v1(20.7,12.4) 21.11,12.4 21.307,12.597 22.088,12.597 22.588,12.097 27.397,12.097 v1(27.8,12.5) ; v1(28.067,23.876) 28.812,24.621 28.812,33.705 v1(29.354,34.247) 30.203,34.247 R10.1@30.25,34.2